# Allegro board Notecarrier-Pi PCB v2.brd
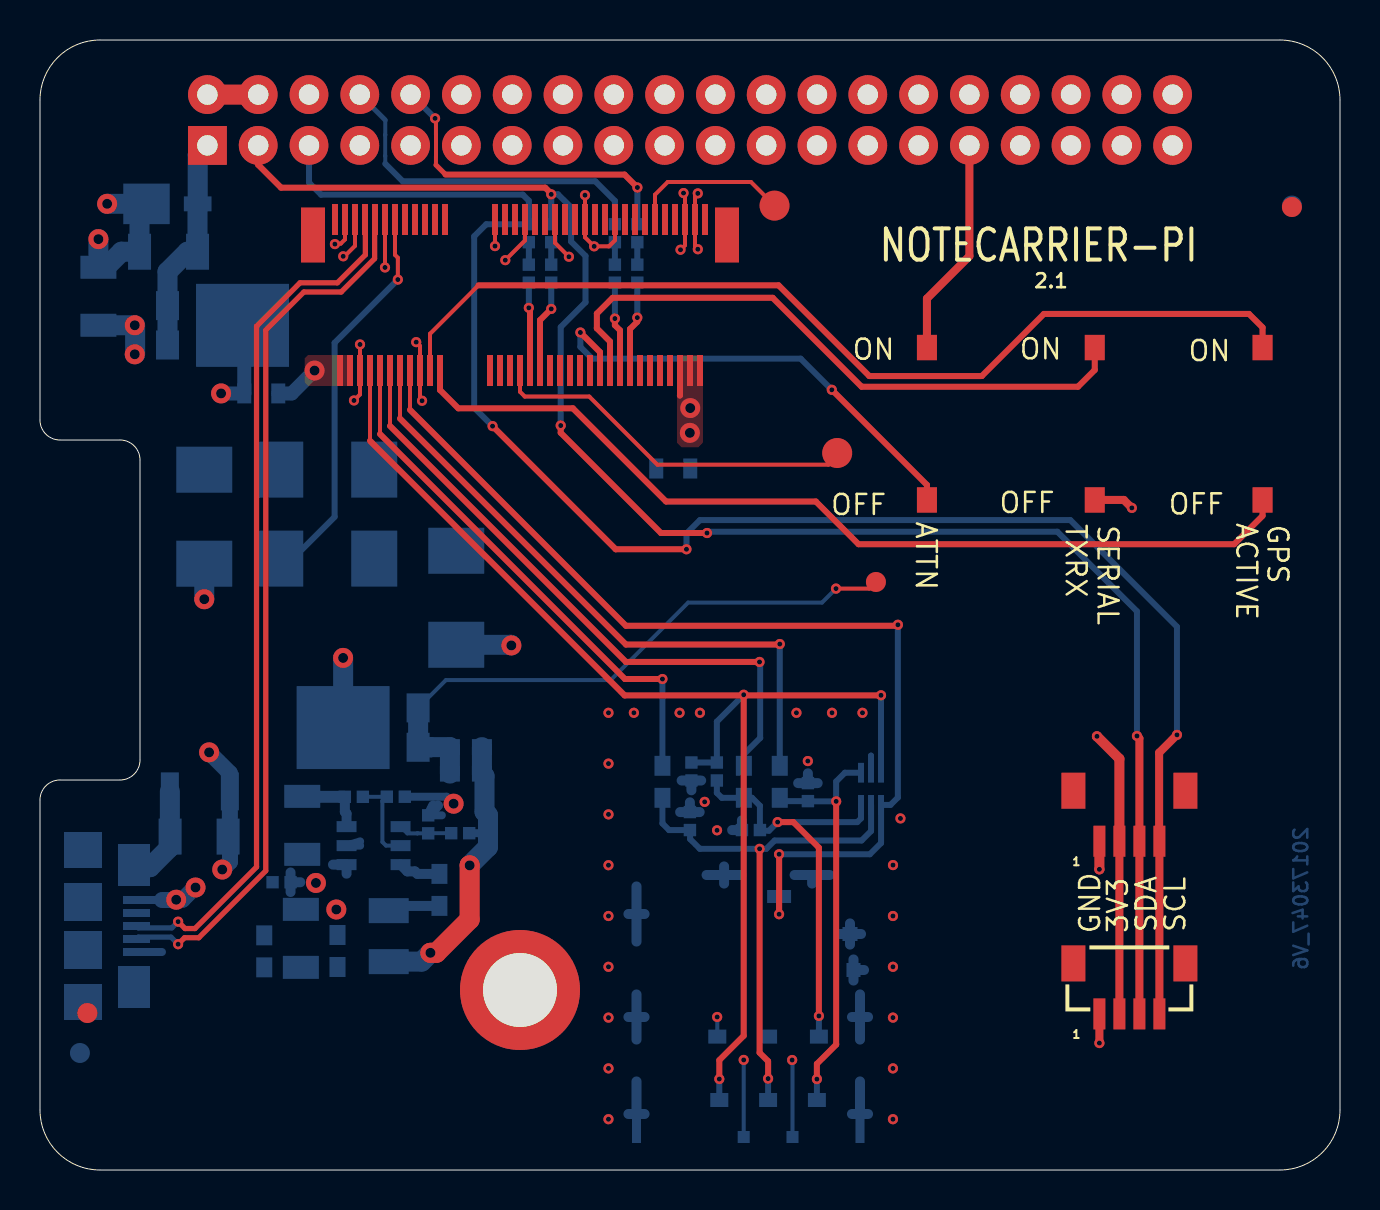
[diagram p0: board, top side]
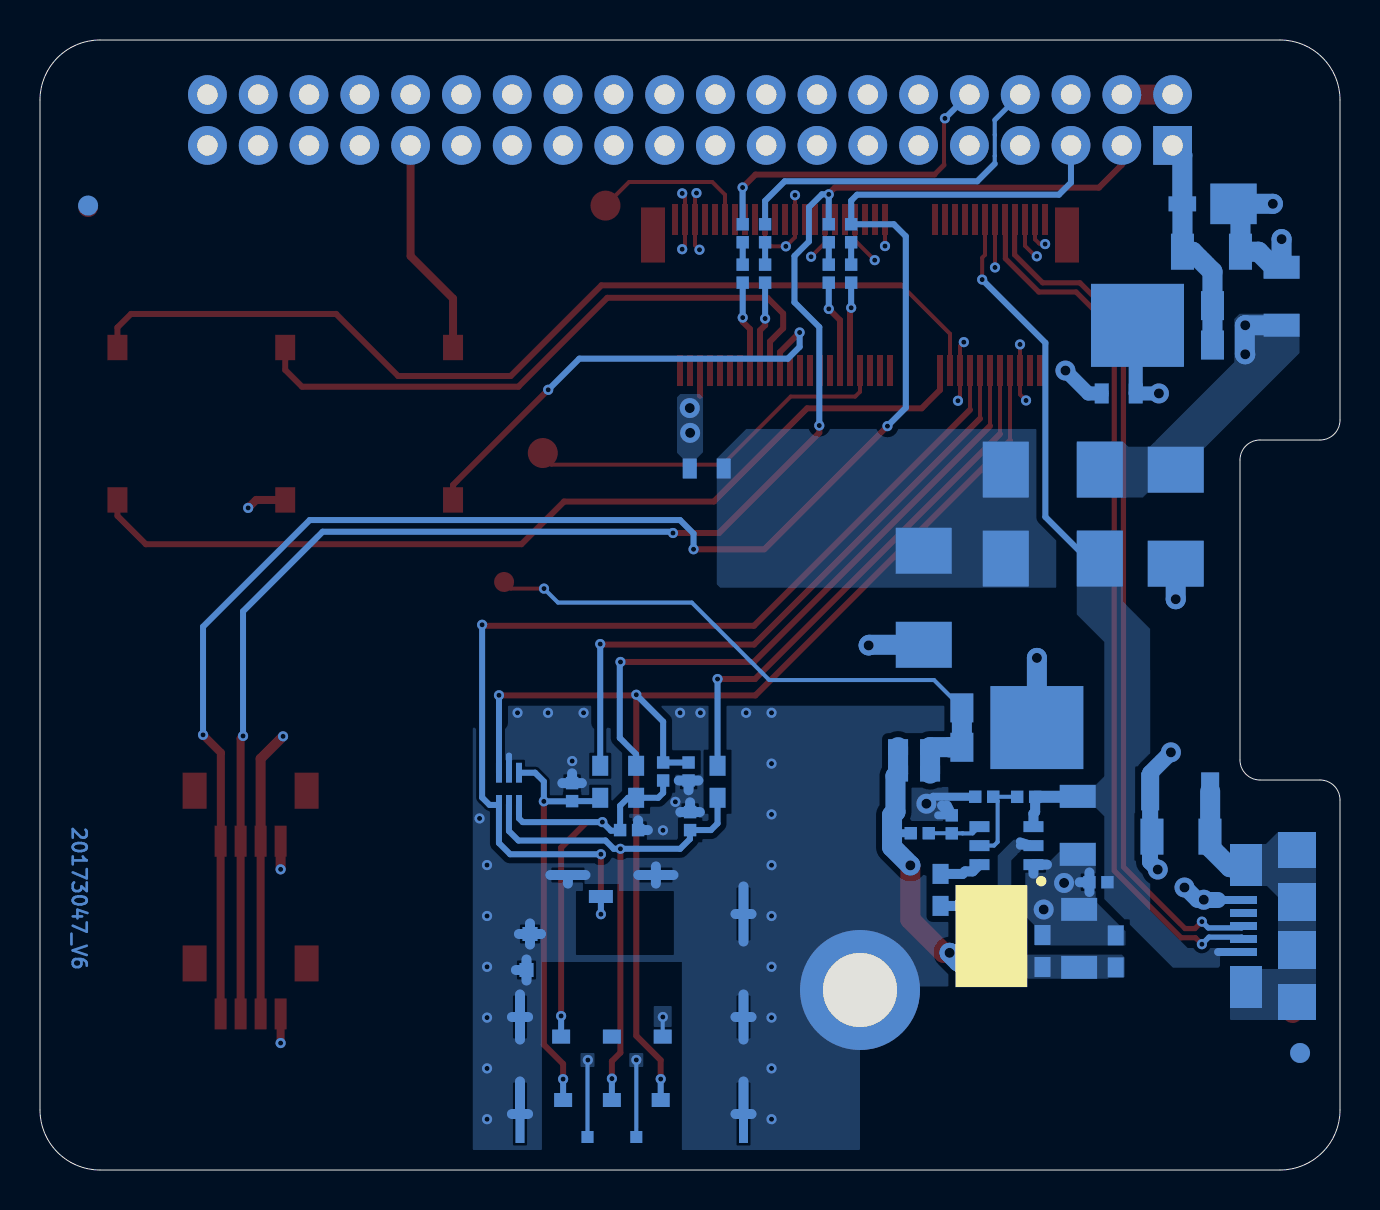
[diagram p1: board, bottom side, seen from below]

Outline 65 x 56.5 mm; copper layers: TOP, GND, POWER, BOTTOM. Coordinates in mm from the lower left corner of the outline.
Outline path: 0,53.5 arc(0.88,55.62) 3,56.5 62,56.5 arc(64.12,55.62) 65,53.5 65,3 arc(64.12,0.88) 62,0 3,0 arc(0.88,0.88) 0,3 0,18.5 arc(0.29,19.21) 1,19.5 4,19.5 arc(4.71,19.79) 5,20.5 5,35.5 arc(4.71,36.21) 4,36.5 1,36.5 arc(0.29,36.79) 0,37.5 0,53.5

## Design rules (mm)
constraint set DEFAULT: pair gap 0.2
net group USB_CON_EXT_90: nets USB_DM USB_DP
nets with their own width: min track width 0.3; nets GND V+ VIO VMODEM VMODEM_P VUSB

## Placement (name value [footprint] x y rotation side)
C1  22u/25V-X5R  [CS-C-1206]  6.38 45.91 180 bottom
C2  22u/25V-X5R  [CS-C-1206]  2.92 43.74 90 bottom
C3  100n/16V  [CS-C-0402]  32.57 19.92 270 bottom
C4  33p/50V-C0G  [CS-C-0402]  32.5 17.45 90 bottom
C5  33p/50V-C0G  [CS-C-0402]  38.4 18.89 90 bottom
C6  33p/50V-C0G  [CS-C-0402]  35.55 17 180 bottom
C7  100n/16V  [CS-C-0402]  12.08 14.39 0 bottom
C8  10n/1kV  [CS-C-1206]  8 16.67 0 bottom
C13  100n/50V  [CS-C-0603]  19.97 14 90 bottom
C14  22u/25V-X5R  [CS-C-1206]  13.04 11.63 90 bottom
C15  100n/50V  [CS-C-0603]  11.21 10.93 90 bottom
C16  10u/50V/X5R  [CS-C-1206]  13.11 17.18 270 bottom
C17  47u/6V3/X5R  [CS-C-0603]  14.88 10.95 90 bottom
DS1  STPS3H100U  [SMB]  16.71 30.57 180 bottom
DS2  STPS3H100U  [SMB]  16.71 35.02 180 bottom
DS3  FSV1045V  [TO277-3]  9.13 42.23 90 bottom
DS4  FSV1045V  [TO277-3]  16.16 22.12 270 bottom
DSW1  DIP-SW-CHS-01TB  [DSS-CHS-01TB]  61.13 37.31 180 top
DSW2  DIP-SW-CHS-01TB  [DSS-CHS-01TB]  52.74 37.31 180 top
DSW3  DIP-SW-CHS-01TB  [DSS-CHS-01TB]  44.35 37.31 180 top
F1  SF-0603F150-2  [FS-0603]  11.06 38.83 0 bottom
F2  3.5A/32V  [FS-0603]  31.66 35.07 0 bottom
FID1  TPS  [FIDUCIAL]  2 5.85 180 bottom
FID2  TPS  [FIDUCIAL]  62.6 48.22 180 bottom
FID3  TPS  [FIDUCIAL]  62.6 48.15 0 top
FID4  TPS  [FIDUCIAL]  2.37 7.85 0 top
J1  20565  [J-20X2-0254-FDT-SSQX03]  32.5 52.5 0 bottom
J2  NanoSIM - SF72S006VBAR2500  [J-NANOSIM-SF72S006VBA]  36.95 13.68 180 bottom
J3  MDT420E01001  [J-75-0050-MOS-M2-E]  24 42.25 0 top
J4  10118192-0002LF  [J-5-0065-FOS-USB10118192-NOF]  4.7 12.2 90 bottom
J5  BM04B-SRSS-TBT(LF)(SN)  [J-4-0100-MDS-SH]  52.97 16.44 0 top
J6  BM04B-SRSS-TBT(LF)(SN)  [J-4-0100-MDS-SH]  52.97 7.8 0 top
L4  LQH32PN4R7NN0L  [LS-LQH32PN]  17.44 11.69 270 bottom
NOREF  -  []  60.14 3.53 0 top
NOREF#2  -  []  15.33 15.27 90 top
NOREF#3  -  []  6.7 13 0 top
NOREF#4  -  []  56.27 7.03 90 top
NOREF#5  -  []  21 20.74 90 top
NOREF#6  -  []  32.69 1.35 90 top
NOREF#7  -  []  32.69 6.7 90 top
NOREF#8  -  []  55.97 16.44 0 top
NOREF#9  -  []  5.93 15.77 0 top
NOREF#10  -  []  8.05 39.91 90 top
NOREF#11  -  []  0 3 0 top
NOREF#12  -  []  36.36 14 0 top
NOREF#13  -  []  5.65 40.67 90 top
NOREF#14  -  []  15.16 21.12 90 top
NOREF#15  -  []  56.27 15.66 90 top
NOREF#16  -  []  31.6 48.3 0 top
NOREF#17  -  []  18.18 22.53 0 top
NOREF#18  -  []  25.56 46.39 90 top
NOREF#19  -  []  24 9 0 top
NOREF#20  -  []  44.31 1.35 90 top
NOREF#21  -  []  34.61 15 0 top
NOREF#22  -  []  17.44 10.42 90 top
NOREF#23  -  []  34.95 45.38 90 top
NOREF#24  -  []  56.27 17.21 90 top
NOREF#25  -  []  60.63 40.49 90 top
NOREF#26  -  []  62 0 90 top
NOREF#27  -  []  8.37 51.23 0 top
NOREF#28  -  []  57.87 9.43 90 top
NOREF#29  -  []  0 8.7 0 top
NOREF#30  -  []  35.69 18.21 90 top
NOREF#31  -  []  32.88 10.35 0 top
NOREF#32  -  []  24.13 44.68 0 top
NOREF#33  -  []  44 18.98 0 top
NOREF#34  -  []  6.04 17.98 90 top
NOREF#35  -  []  7.06 36.42 0 top
NOREF#36  -  []  52.67 7.03 0 top
NOREF#37  -  []  4.73 36.18 0 top
NOREF#38  -  []  14 41.7 90 top
NOREF#39  -  []  54.97 7.8 0 top
NOREF#40  -  []  16.45 18.35 90 top
NOREF#41  -  []  29.83 12.8 0 top
NOREF#42  -  []  40.9 17.76 90 top
NOREF#43  -  []  19.72 16.52 90 top
NOREF#44  -  []  0.41 1.48 0 top
NOREF#45  -  []  34.15 20.06 90 top
NOREF#46  -  []  30.18 46.08 90 top
NOREF#47  -  []  13.04 10.13 90 top
NOREF#48  -  []  29.56 46.7 0 top
NOREF#49  -  []  14 42.25 90 top
NOREF#50  -  []  62 0 90 top
NOREF#51  -  []  14.88 10.15 90 top
NOREF#52  -  []  4.16 47.29 90 top
NOREF#53  -  []  30.46 34.57 0 top
NOREF#54  -  []  32.86 34.57 90 top
NOREF#55  -  []  51.27 11.23 0 top
NOREF#56  -  []  -50 0 0 top
NOREF#57  -  []  44.35 33.5 90 top
NOREF#58  -  []  40.5 6.32 90 top
NOREF#59  -  []  36.99 18.61 90 top
NOREF#60  -  []  40.41 14.5 90 top
NOREF#61  -  []  43.85 40.49 90 top
NOREF#62  -  []  5.55 45.01 90 top
NOREF#63  -  []  60.63 34.14 0 top
NOREF#64  -  []  40.9 19.37 0 top
NOREF#65  -  []  28.44 46.7 0 top
NOREF#66  -  []  28.75 46.39 90 top
NOREF#67  -  []  19.5 39.98 0 top
NOREF#68  -  []  29.83 12.8 0 top
NOREF#69  -  []  33.86 6.67 0 top
NOREF#70  -  []  7.3 45.01 0 top
NOREF#71  -  []  15 39.98 90 top
NOREF#72  -  []  28.44 44.68 0 top
NOREF#73  -  []  15.56 31.97 0 top
NOREF#74  -  []  25.25 44.68 0 top
NOREF#75  -  []  22.15 9 0 top
NOREF#76  -  []  -60.01 50.91 0 top
NOREF#77  -  []  43.85 34.14 0 top
NOREF#78  -  []  62 0 90 top
NOREF#79  -  []  44.31 1.35 90 top
NOREF#80  -  []  16.85 39.2 0 top
NOREF#81  -  []  31.62 18.21 90 top
NOREF#82  -  []  14.38 12.15 0 top
NOREF#83  -  []  19.66 32.36 0 top
NOREF#84  -  []  20.5 19.82 0 top
NOREF#85  -  []  24.13 46.7 0 top
NOREF#86  -  []  19.1 17.14 0 top
NOREF#87  -  []  8.57 47.93 90 top
NOREF#88  -  []  6.49 18.93 0 top
NOREF#89  -  []  11.63 14.39 0 top
NOREF#90  -  []  0 18.5 0 top
NOREF#91  -  []  12.54 17.78 0 top
NOREF#92  -  []  15 39.98 0 top
NOREF#93  -  []  20.81 26.26 90 top
NOREF#94  -  []  19.47 12.8 90 top
NOREF#95  -  []  51.27 16.56 90 top
NOREF#96  -  []  12.84 14.08 90 top
NOREF#97  -  []  24.44 46.39 90 top
NOREF#98  -  []  8.37 51.23 90 top
NOREF#99  -  []  28.75 44.37 90 top
NOREF#100  -  []  13.62 12.13 90 top
NOREF#101  -  []  30.62 19.01 0 top
NOREF#102  -  []  37.49 18.21 90 top
NOREF#103  -  []  29.87 46.39 90 top
NOREF#104  -  []  14.6 46.75 90 top
NOREF#105  -  []  19.97 13.2 90 top
NOREF#106  -  []  25.87 46.08 90 top
NOREF#107  -  []  16.81 11.42 0 top
NOREF#108  -  []  44.31 1.35 90 top
NOREF#109  -  []  36.36 13.35 90 top
NOREF#110  -  []  9.04 19.88 0 top
NOREF#111  -  []  3.5 44.24 90 top
NOREF#112  -  []  20 21.54 0 top
NOREF#113  -  []  39.02 1.35 90 top
NOREF#114  -  []  33.84 19.47 90 top
NOREF#115  -  []  5.65 40.67 0 top
NOREF#116  -  []  14 42.25 90 top
NOREF#117  -  []  0 3 0 top
NOREF#118  -  []  17.75 14.77 90 top
NOREF#119  -  []  41.05 18.25 0 top
NOREF#120  -  []  52.24 34.14 0 top
NOREF#121  -  []  19.47 15.2 0 top
NOREF#122  -  []  32.69 1.35 0 top
NOREF#123  -  []  24.44 44.37 90 top
NOREF#124  -  []  44.31 1.35 90 top
NOREF#125  -  []  17.34 18.66 0 top
NOREF#126  -  []  39 15 0 top
NOREF#127  -  []  10.71 9.73 90 top
NOREF#128  -  []  24.75 44.06 90 top
NOREF#129  -  []  29.06 46.08 90 top
NOREF#130  -  []  10.71 12.13 0 top
NOREF#131  -  []  61.5 52.5 0 top
NOREF#132  -  []  17.03 18.97 0 top
NOREF#133  -  []  24 9 0 top
NOREF#134  -  []  19.41 16.83 90 top
NOREF#135  -  []  29.25 47.52 0 top
NOREF#136  -  []  0 53.5 0 top
NOREF#137  -  []  0 18.5 0 top
NOREF#138  -  []  52.67 15.66 0 top
NOREF#139  -  []  35.19 18.61 90 top
NOREF#140  -  []  4.16 47.29 0 top
NOREF#141  -  []  16.81 11.97 90 top
NOREF#142  -  []  10.56 39.33 0 top
NOREF#143  -  []  32.69 1.35 90 top
NOREF#144  -  []  32.88 19.16 90 top
NOREF#145  -  []  0 53.5 0 top
NOREF#146  -  []  0 8.7 90 top
NOREF#147  -  []  15.56 36.42 0 top
NOREF#148  -  []  38.09 19.65 0 top
NOREF#149  -  []  7.19 48.68 0 top
NOREF#150  -  []  39.11 35.86 0 top
NOREF#151  -  []  36.41 3.5 0 top
NOREF#152  -  []  8.05 44.56 0 top
NOREF#153  -  []  15.83 18.97 0 top
NOREF#154  -  []  6.38 41.25 90 top
NOREF#155  -  []  45 3 90 top
NOREF#156  -  []  29.83 2.8 0 top
NOREF#157  -  []  44.31 11.6 90 top
NOREF#158  -  []  44.31 1.35 90 top
NOREF#159  -  []  57.87 18.06 90 top
NOREF#160  -  []  32.5 17 90 top
NOREF#161  -  []  4.45 8.7 0 top
NOREF#162  -  []  61.13 33.5 90 top
NOREF#163  -  []  3 0 90 top
NOREF#164  -  []  10.13 41.23 90 top
NOREF#165  -  []  13.08 24.45 0 top
NOREF#166  -  []  33.03 12.15 0 top
NOREF#167  -  []  -105.3 -116.94 0 top
NOREF#168  -  []  -50 0 0 top
NOREF#169  -  []  2.14 52.53 0 top
NOREF#170  -  []  36.41 3.5 0 top
NOREF#171  -  []  20.56 16.84 0 top
NOREF#172  -  []  24.34 14.24 90 top
NOREF#173  -  []  9.86 38.33 0 top
NOREF#174  -  []  56.67 18.06 0 top
NOREF#175  -  []  41.29 29.4 0 top
NOREF#176  -  []  32.19 18.21 0 top
NOREF#177  -  []  2.35 41.34 0 top
NOREF#178  -  []  29.83 12.8 0 top
NOREF#179  -  []  62 0 90 top
NOREF#180  -  []  13.69 14.88 90 top
NOREF#181  -  []  24.75 46.08 90 top
NOREF#182  -  []  56.67 9.43 0 top
NOREF#183  -  []  4.83 10.9 90 top
NOREF#184  -  []  29.06 44.06 90 top
NOREF#185  -  []  21.15 17.15 0 top
NOREF#186  -  []  32.26 19.78 0 top
NOREF#187  -  []  12.01 30.57 0 top
NOREF#188  -  []  55.97 7.8 0 top
NOREF#189  -  []  21.77 16.53 90 top
NOREF#190  -  []  2.55 8.7 0 top
NOREF#191  -  []  44.31 6.7 90 top
NOREF#192  -  []  52.24 40.49 90 top
NOREF#193  -  []  0 18.5 90 top
NOREF#194  -  []  38.71 19.03 90 top
NOREF#195  -  []  8.21 30.32 90 top
NOREF#196  -  []  3.2 11.65 90 top
NOREF#197  -  []  20 20.22 0 top
NOREF#198  -  []  35.1 17 0 top
NOREF#199  -  []  15.56 33.62 90 top
NOREF#200  -  []  2.14 3.53 0 top
NOREF#201  -  []  12.47 9.23 0 top
NOREF#202  -  []  13.11 15.78 90 top
NOREF#203  -  []  44.31 1.35 90 top
NOREF#204  -  []  15.56 29.17 90 top
NOREF#205  -  []  45 3 90 top
NOREF#206  -  []  34 41.45 90 top
NOREF#207  -  []  29.56 44.68 0 top
NOREF#208  -  []  14.75 47.52 0 top
NOREF#209  -  []  44 18.96 0 top
NOREF#210  -  []  15.33 17.17 0 top
NOREF#211  -  []  0.98 55.72 0 top
NOREF#212  -  []  29.83 12.8 0 top
NOREF#213  -  []  13.08 19.8 90 top
NOREF#214  -  []  2.15 16 90 top
NOREF#215  -  []  38.42 1.35 0 top
NOREF#216  -  []  33.53 20.68 0 top
NOREF#217  -  []  14.75 47.52 0 top
NOREF#218  -  []  0.22 36.88 0 top
NOREF#219  -  []  9.4 8.2 90 top
NOREF#220  -  []  -51.54 0 0 top
NOREF#221  -  []  15.16 21.12 90 top
NOREF#222  -  []  1 19.5 90 top
NOREF#223  -  []  19.24 17.84 0 top
NOREF#224  -  []  18.18 22.53 90 top
NOREF#225  -  []  31.16 35.57 0 top
NOREF#226  -  []  56.27 8.58 90 top
NOREF#227  -  []  30.18 44.06 90 top
NOREF#228  -  []  34.61 3.15 0 top
NOREF#229  -  []  32.81 17.59 90 top
NOREF#230  -  []  12.26 38.33 90 top
NOREF#231  -  []  0 3 0 top
NOREF#232  -  []  61.5 52.5 90 top
NOREF#233  -  []  -55.64 42 0 top
NOREF#234  -  []  20.5 21.14 0 top
NOREF#235  -  []  4.98 45.91 0 top
NOREF#236  -  []  32.69 1.35 90 top
NOREF#237  -  []  32.69 1.35 90 top
NOREF#238  -  []  51.27 7.93 90 top
NOREF#239  -  []  52.74 33.5 90 top
NOREF#240  -  []  33.75 48.12 0 top
NOREF#241  -  []  6.5 16.67 0 top
NOREF#242  -  []  17.75 16.72 0 top
NOREF#243  -  []  56.12 51.24 0 top
NOREF#244  -  []  18.91 21.14 90 top
NOREF#245  -  []  15.24 18.66 0 top
NOREF#246  -  []  42.2 17.76 90 top
NOREF#247  -  []  24 39.98 0 top
NOREF#248  -  []  32.69 1.35 90 top
NOREF#249  -  []  32.57 19.47 90 top
NOREF#250  -  []  35.41 16.69 90 top
NOREF#251  -  []  25.87 44.06 90 top
NOREF#252  -  []  35.19 1.65 0 top
NOREF#253  -  []  54.97 16.44 0 top
NOREF#254  -  []  61.5 3.5 0 top
NOREF#255  -  []  4.76 36.15 0 top
NOREF#256  -  []  10.13 41.23 90 top
NOREF#257  -  []  12.22 14.7 0 top
NOREF#258  -  []  38.4 18.44 90 top
NOREF#259  -  []  3.5 52.5 90 top
NOREF#260  -  []  33.03 11.45 90 top
NOREF#261  -  []  14.85 39.2 90 top
NOREF#262  -  []  14 42.25 0 top
NOREF#263  -  []  6.48 47.29 0 top
NOREF#264  -  []  29.87 44.37 90 top
NOREF#265  -  []  49.01 53.77 0 top
NOREF#266  -  []  25.25 46.7 0 top
NOREF#267  -  []  7.06 33.62 90 top
NOREF#268  -  []  25.56 44.37 90 top
NOREF#269  -  []  12.01 35.02 0 top
NOREF#270  -  []  24 9 90 top
NOREF#271  -  []  35.97 48.23 0 top
NOREF#272  -  []  2.92 42.24 90 top
NOREF#273  -  []  0.6 11.4 90 top
NOREF#274  -  []  15 39.98 0 top
NOREF#275  -  []  62.54 51.64 0 top
NOREF#276  -  []  36.49 19.01 0 top
NOREF#277  -  []  21 9 0 top
NOREF#278  -  []  0.32 36.77 0 top
NOREF#279  -  []  62 0 90 top
NOREF#280  -  []  5.8 13 0 top
NOREF#281  -  []  43.86 1.35 0 top
NOREF#282  -  []  9.98 15.77 90 top
NOREF#283  -  []  8.37 51.23 90 top
NOREF#284  -  []  0 8.7 0 top
NOREF#285  -  []  34.79 17.31 0 top
NOREF#286  -  []  34.69 19.01 0 top
NOREF#287  -  []  11.21 10.13 90 top
NOREF#288  -  []  33.97 3.5 0 top
NOREF#289  -  []  14.38 9.75 90 top
NOREF#290  -  []  60.14 52.53 0 top
NOREF#291  -  []  51.27 19.86 0 top
NOREF#292  -  []  19.66 29.56 90 top
NOREF#293  -  []  31.12 18.61 90 top
NOREF#294  -  []  21 19.42 90 top
NOREF#295  -  []  29.83 12.8 0 top
NOREF#296  -  []  13.65 46.75 0 top
NOREF#297  -  []  17.65 18.35 90 top
NOREF#298  -  [unnamed#2]  61.5 52.5 180 bottom
NOREF#299  -  [unnamed#2]  61.5 3.5 180 bottom
NOREF#300  -  [unnamed#2]  3.5 52.5 180 bottom
NOREF#301  -  [unnamed#2]  3.5 3.5 180 bottom
OBJ1  9774025151R  [DIST-WASMSIM0250]  24 9 270 top
R1  22R  [RS-0603]  35.19 19.41 270 bottom
R2  22R  [RS-0603]  31.12 19.41 270 bottom
R3  22R  [RS-0603]  36.99 19.41 270 bottom
R4  15k  [RS-0402]  33.84 19.92 90 bottom
R5  1M  [RS-1206]  7.99 18.93 0 bottom
R6  100R  [RS-0402]  24.44 46.84 270 bottom
R7  100R  [RS-0402]  24.44 44.82 270 bottom
R8  100R  [RS-0402]  25.56 46.84 270 bottom
R9  100R  [RS-0402]  25.56 44.82 270 bottom
R10  100R  [RS-0402]  28.75 46.84 270 bottom
R11  100R  [RS-0402]  28.75 44.82 270 bottom
R12  100R  [RS-0402]  29.87 46.84 270 bottom
R13  100R  [RS-0402]  29.87 44.82 270 bottom
R19  0R  [RS-0603]  21.3 21.14 180 bottom
R20  0R  [RS-0603]  21.3 19.82 180 bottom
R22  75k  [RS-0402]  21.01 16.84 0 bottom
R23  0R  [RS-0402]  15.69 18.66 0 bottom
R25  10k  [RS-0402]  17.79 18.66 180 bottom
R26  24k  [RS-0402]  19.41 17.28 270 bottom
TP5  TPS  [TPS-0100]  41.8 29.4 180 top
TP6  TPS  [TPS-0150]  39.86 35.85 0 top
TP7  TPS  [TPS-0150]  36.73 48.22 0 top
TVS1  SM6T6V8A  [SMB]  20.81 30.96 270 bottom
TVS2  SM2T3V3A  [D-DO216AA]  5.32 48.31 0 bottom
TVS3  SM6T6V8A  [SMB]  8.21 35.02 270 bottom
TVS4  ESDLC5V0M5-TP  [SOT666]  41.55 19.06 0 bottom
U3  AP62250WU-7  [SOT23-6-DBV]  16.68 16.22 90 bottom

## Library data of the parts
C1 C2 C14 = CS-C-1206-22u/25V-X5R
C3 = CS-C-0402-100n/16V: room: NANO-SIM
C4-C6 = CS-C-0402-33p/50V-C0G: room: NANO-SIM
C7 = CS-C-0402-100n/16V: room: USB
C8 = CS-C-1206-10n/1kV: room: USB
C13 C15 = CS-C-0603-100n/50V
C16 = CS-C-1206-10u/50V-X5R
C17 = CS-C-0603-47u/6V3-X5R
DS1 = SCHOTTKY-STPS3H100U - 3A/100V: room: USB POWER PROTECTION
DS2 = SCHOTTKY-STPS3H100U - 3A/100V: room: POWER PROTECTION
DS3 DS4 = SCHOTTKY - FSV1045V - 10A/45V: room: INPUT
DSW1-DSW3 = DIP-SW-1x-CHS-01TB-SMD
F1 = RAPIDO - SF-0603F150-2-1.5A/32V: room: M2 CONNECTOR
F2 = RAPIDO - 0603SFV350F- 3.5A/32V: room: M2 CONNECTOR
FID1-FID4 = FIDUCIAL
J1 = STRIP-J-20X2-0254-FDT - 2223
J2 = NANOSIM - J-NANOSIM-SF72S006VBA: room: NANO-SIM
J3 = AMPHENOL-75 - M-2 KEY E_10: room: M2 CONNECTOR
J4 = USB - uUSB-B-10118192-0002LF
J5 J6 = SH - J-4-0100-MDS-SH-BM04B
L4 = PW - LQH32PN4R7NN0L - 4.7u/1A
OBJ1 = DISTANZIALE - M2.5x0250
R1-R3 = RS-0603-22r: room: NANO-SIM
R4 = RS-0402-15k: room: NANO-SIM
R5 = RS-1206-1M: room: USB
R6-R13 = RS-0402-100r: room: PROTECTION NET
R19 R20 = RS-0603-0r
R22 = RS-0402-75k
R23 = RS-0402-0r
R25 = RS-0402-10k
R26 = RS-0402-24k
TP5 = TEST POINT SMD 1 MM
TP6 TP7 = TEST POINT SMD 1.5 MM
TVS1 = TVS-UNI - SM6T6V8A - 6.8V/600W: room: POWER PROTECTION
TVS2 = TVS-UNI - SM2T3V3A - 3.6V/200W
TVS3 = TVS-UNI - SM6T6V8A - 6.8V/600W
TVS4 = TVS-UNI5x - ESDLC5V0M5-TP - 5V: room: NANO-SIM
U3 = BUCK - AP62250WU-7 - 2.5A/ADJ

## Footprints (pads in the part's own frame, mm; a bottom-side part is the same pattern mirrored in y, then rotated)
CS-C-0402
  rect 0.62x0.62 smd: 1(-0.45,0) 2(0.45,0)
CS-C-0603
  rect 1x0.8 smd: 1(-0.8,0) 2(0.8,0)
CS-C-1206
  rect 1.15x1.8 smd: 1(-1.5,0) 2(1.4,0)
D-DO216AA
  rect 1.38x0.75 smd: 1(2.56,0)
  rect 2.32x2.03 smd: 2(0,0)
DIST-WASMSIM0250
  round 6 hole 3.7: 1(0,0)
DSS-CHS-01TB
  rect 1x1.27 smd: 1(0,3.81) 2(0,-3.81)
FIDUCIAL
  round 1 smd: 1(0,0)
FS-0603
  rect 0.7x1 smd: 1(-0.85,0) 2(0.85,0)
J-4-0100-MDS-SH
  rect 1.2x1.8 smd: (-1.3,2.525) (4.3,2.525)
  rect 0.6x1.55 smd: 1(0,0) 2(1,0) 3(2,0) 4(3,0)
J-5-0065-FOS-USB10118192-NOF
  rect 0.4x1.35 smd: 1(-1.3,0.125) 2(-0.65,0.125) 3(0,0.125) 4(0.65,0.125) 5(1.3,0.125)
  rect 2.1x1.6 smd: 6(-3.05,0) 7(3.05,0)
  rect 1.9x1.9 smd: 8(-1.2,-2.55) 9(1.2,-2.55)
  rect 1.8x1.9 smd: 10(-3.8,-2.55) 11(3.8,-2.55)
J-20X2-0254-FDT-SSQX03
  rect 1.94x1.94 hole 1.02: 1(-24.13,1.27)
  round 1.94 hole 1.02: 2(-24.13,-1.27) 3(-21.59,1.27) 4(-21.59,-1.27) 5(-19.05,1.27) 6(-19.05,-1.27) 7(-16.51,1.27) 8(-16.51,-1.27) 9(-13.97,1.27) 10(-13.97,-1.27) 11(-11.43,1.27) 12(-11.43,-1.27) 13(-8.89,1.27) 14(-8.89,-1.27) 15(-6.35,1.27) 16(-6.35,-1.27) 17(-3.81,1.27) 18(-3.81,-1.27) 19(-1.27,1.27) 20(-1.27,-1.27) 21(1.27,1.27) 22(1.27,-1.27) 23(3.81,1.27) 24(3.81,-1.27) 25(6.35,1.27) 26(6.35,-1.27) 27(8.89,1.27) 28(8.89,-1.27) 29(11.43,1.27) 30(11.43,-1.27) 31(13.97,1.27) 32(13.97,-1.27) 33(16.51,1.27) 34(16.51,-1.27) 35(19.05,1.27) 36(19.05,-1.27) 37(21.59,1.27) 38(21.59,-1.27) 39(24.13,1.27) 40(24.13,-1.27)
J-75-0050-MOS-M2-E
  rect 1.2x2.75 smd: (-10.35,4.5) (10.35,4.5)
  round 0 hole 1.1 unplated: (-10,0)
  round 0 hole 1.6 unplated: (10,0)
  rect 0.3x1.55 smd: 1(-9.25,5.275) 2(-9,-2.275) 3(-8.75,5.275) 4(-8.5,-2.275) 5(-8.25,5.275) 6(-8,-2.275) 7(-7.75,5.275) 8(-7.5,-2.275) 9(-7.25,5.275) 10(-7,-2.275) 11(-6.75,5.275) 12(-6.5,-2.275) 13(-6.25,5.275) 14(-6,-2.275) 15(-5.75,5.275) 16(-5.5,-2.275) 17(-5.25,5.275) 18(-5,-2.275) 19(-4.75,5.275) 20(-4.5,-2.275) 21(-4.25,5.275) 22(-4,-2.275) 23(-3.75,5.275) 32(-1.5,-2.275) 33(-1.25,5.275) 34(-1,-2.275) 35(-0.75,5.275) 36(-0.5,-2.275) 37(-0.25,5.275) 38(0,-2.275) 39(0.25,5.275) 40(0.5,-2.275) 41(0.75,5.275) 42(1,-2.275) 43(1.25,5.275) 44(1.5,-2.275) 45(1.75,5.275) 46(2,-2.275) 47(2.25,5.275) 48(2.5,-2.275) 49(2.75,5.275) 50(3,-2.275) 51(3.25,5.275) 52(3.5,-2.275) 53(3.75,5.275) 54(4,-2.275) 55(4.25,5.275) 56(4.5,-2.275) 57(4.75,5.275) 58(5,-2.275) 59(5.25,5.275) 60(5.5,-2.275) 61(5.75,5.275) 62(6,-2.275) 63(6.25,5.275) 64(6.5,-2.275) 65(6.75,5.275) 66(7,-2.275) 67(7.25,5.275) 68(7.5,-2.275) 69(7.75,5.275) 70(8,-2.275) 71(8.25,5.275) 72(8.5,-2.275) 73(8.75,5.275) 74(9,-2.275) 75(9.25,5.275)
J-NANOSIM-SF72S006VBA
  rect 0.9x0.7 smd: 1(2.99,-10.175) 2(0.55,-10.175) 3(-1.89,-10.175) 5(3.09,-7.005) 6(0.55,-7.005) 7(-1.99,-7.005)
  rect 0.45x2.9 smd: 8(-4.045,-10.875) 17(7.13,-10.875)
  rect 0.45x1.9 smd: 9(-4.045,-6.025) 16(7.13,-6.025)
  rect 0.7x0.7 smd: 10(-3.72,-3.675)
  rect 0.75x0.7 smd: 11(-3.545,-1.875)
  rect 1.4x0.5 smd: 12(-1.65,1.075) 14(2.75,1.075)
  rect 1.2x0.65 smd: 13(0,0)
  rect 0.45x2.4 smd: 15(7.13,-0.875)
  rect 0.6x0.6 smd: 18(1.77,-12.025) 19(-0.67,-12.025)
LS-LQH32PN
  rect 1.25x2 smd: 1(-1.275,0) 2(1.275,0)
RS-0402
  rect 0.62x0.62 smd: 1(-0.45,0) 2(0.45,0)
RS-0603
  rect 1x0.8 smd: 1(-0.8,0) 2(0.8,0)
RS-1206
  rect 0.9x1.9 smd: 1(-1.5,0) 2(1.5,0)
SMB
  rect 2.3x2.8 smd: 1(0,0) 2(4.7,0)
SOT23-6-DBV
  rect 0.55x1 smd: 1(-0.95,-1.35) 2(0,-1.35) 3(0.95,-1.35) 4(0.95,1.35) 5(0,1.35) 6(-0.95,1.35)
SOT666
  rect 0.3x0.99 smd: 1(-0.5,-0.805) 2(0,-0.805) 3(0.5,-0.805) 4(0.5,0.805) 5(0,0.805) 6(-0.5,0.805)
TO277-3
  rect 1.45x1.15 smd: 1(0.985,-2.75) 2(-0.985,-2.75)
  rect 4.15x4.65 smd: 3(0,1)
TPS-0100
  round 1 smd: 1(0,0)
TPS-0150
  round 1.5 smd: 1(0,0)
unnamed#2
  round 0 hole 2.7 unplated: (0,0)

## Nets
3V3: DS4.1 DS4.2 R19.2 R20.2 TP5.1(TP)
GND: C1.2 C2.2 C3.2 C4.2 C5.2 C6.2 C7.2 C8.2 C14.2 C15.2 C16.2 C17.2 J1.6 J1.9 J1.14 J1.20 J1.25 J1.30 J1.34 J1.39 J2.5 J2.8 J2.9 J2.10 J2.11 J2.12 J2.14 J2.15 J2.16 J2.17 J2.18 J2.19 J3.3 J3.5 J3.6 J3.11 J3.18 J3.33 J3.39 J3.45 J3.51 J3.57 J3.71 J3.73 J4.5 J5.1 J6.1 OBJ1.1 R5.2 R25.1 R26.1 TVS1.2 TVS2.2 TVS3.2 TVS4.2 U3.1
ATTN: DSW3.2 J1.31
AUX_EN: DSW2.2 J3.56
AUX_RX: J1.8 R10.1
AUX_RX_P: J3.58 R11.2
AUX_TX: J1.10 R12.1
AUX_TX_P: J3.60 R13.2
SCL: J1.5 J5.4 J6.4 R6.1
SDA: J1.3 J5.3 J6.3 R8.1
SIM_CLK: J3.14 R3.1
SIM_IO: J3.12 R1.1
SIM_NPRESENT: J2.13 J3.16 TVS4.4
SIM_RST: J3.10 R2.1
SIM_VCC: C3.1 J2.1 J3.8 R4.2 TVS4.3
USB_DM: J3.9 J4.2
USB_DP: J3.7 J4.3
USB_SHIELD: C8.1 J4.6 J4.7 J4.8 J4.9 J4.10 J4.11 R5.1
V+: C2.1 DS2.2 J1.2 J1.4 TVS3.1(C)
VACT_GPS_OUT: DSW1.2 J3.20
VIO: DS3.3(C) DS4.3(C) F1.1
VIO#: C1.1 DS3.1 DS3.2 J1.1 TVS2.1(C)
VIO_P: DSW2.1 F1.2 J3.2 J3.4 J5.2 J6.2
VMODEM: DS1.1(C) DS2.1(C) F2.1 TVS1.1(C)
VMODEM_P: F2.2 J3.70 J3.72 J3.74
VUSB: C7.1 C16.1 DS1.2 J3.13(VUSB) J4.1(VCC) R23.1 U3.3(VIN)
N16884949: J3.42 R9.2
N16884961: J3.40 R7.2
N16931657: R12.2 R13.1
N16931659: R10.2 R11.1
N16931665: R8.2 R9.1
N16931667: R6.2 R7.1
N17053809: C6.1 J2.7 R1.2 R4.1 TVS4.6(C6)
N17053813: C4.1 J2.2 R2.2 TVS4.5
N17053836: C5.1 J2.3 R3.2 TVS4.1
N17074702: DSW1.1 J3.22
N17100401: DSW3.1 J3.54
N17130280: C14.1 C15.1 C17.1 L4.2 R19.1 R20.1 R22.2
N17130301: C13.1 L4.1 U3.2
N17130339: C13.2 U3.6
N17130371: R22.1 R26.2 U3.4
N17130375: R23.2 R25.2 U3.5
N17136740: J3.65 TP7.1(TP)
N17136743: J3.38 TP6.1(TP)

Pads without a net: FID1 1; FID2 1; FID3 1; FID4 1; J1 7 11 12 13 15 16 17 18 19 21 22 23 24 26 27 28 29 32 33 35 36 37 38 40; J2 6; J3 1 15 17 19 21 23 32 34 35 36 37 41 43 44 46 47 48 49 50 52 53 55 59 61 62 63 64 66 67 68 69 75; J4 4

## Via types
v1: diameter 1, hole 0.5, TOP to BOTTOM, 20 vias
v2: diameter 0.508, hole 0.254, TOP to BOTTOM, 82 vias

## Routing (per net, layer and track width the routed paths; a pad name or vN(x,y) marks a point on that pad's centre or on a via; arc(x,y) is an arc through that point)
3V3: length 30.4
  TOP w0.2: TP5.1 41.46,29.07 v2(39.8,29.07)
  BOTTOM w0.2: DS4.2 20.29,24.5 28.53,24.5 32.41,28.37 39.1,28.37 v2(39.8,29.07)
  BOTTOM w1: R20.2 R19.2 19.53,21.14 19.53,21.14 DS4.1 DS4.2
GND: length 100.2
  TOP w0.2: v2(32.89,46.04) 32.75,46.18 J3.73 32.75,48.69 v2(32.89,48.83) ; v2(15.16,45.68) 15.23,45.68 15.75,46.21 J3.5 ; v2(32.18,48.85) 32.25,48.77 J3.71 32.25,46.24 v2(32.03,46.01) ; J3.33 v2(22.75,46.2) ; v2(27.25,48.74) J3.51 27.25,46.64 27.7,46.18 v2(27.71,46.18) 28.44,46.18 28.75,46.49 J3.57 ; v2(18.81,41.39) 19,41.2 J3.18 19,38.56 v2(19.1,38.46) ; J3.3 15.25,46.53 15.04,46.32 14.76,46.32 14.74,46.33 v2(14.74,46.3) ; v2(15.7,38.48) 16,38.78 J3.6 v2(16,41.28) ; J3.39 24.25,46.48 v2(23.26,45.49) ; J3.45 25.75,46.36 v2(26.45,45.66) ; J3.11 v2(17.25,45.13)
  TOP w0.4: J6.1 v2(52.97,6.35)
  TOP w0.5: v2(52.97,15.03) J5.1
  BOTTOM w0.2: v2(37.61,5.5) 37.62,5.48 J2.19 ; J2.5 33.86,7.64 v2(33.86,7.65) ; v2(35.19,5.5) J2.18
  BOTTOM w0.3: OBJ1.1 24,9.02 24.5,9.52 ; 41.55,20.72 41.55,20.72 TVS4.2
  BOTTOM w0.4: R26.1 20.09,17.73 ; 6.1,13.5 J4.5 ; v1(20.68,18.32) 20.33,18.66 R25.1
  BOTTOM w0.5: J2.15 30.23,12.8 ; J2.15 29.83,11.42 ; J2.15 29.42,12.8 ; J2.15 29.83,14.18 ; 37.73,14.75 J2.12 ; J2.12 38.61,14.32 ; J2.12 39.48,14.75 ; J2.14 34.2,15.18 ; J2.14 35.08,14.75 ; J2.14 33.33,14.75 ; J2.14 34.2,14.32 ; 15.33,14.82 15.33,15.27 14.65,15.27 ; J2.16 30.23,7.65 ; J2.16 29.83,6.52 ; J2.16 29.42,7.65 ; J2.16 29.83,8.78 ; 40.5,11.27 J2.11 ; J2.11 41.05,11.8 ; J2.11 39.95,11.8 ; J2.11 40.5,12.33 ; 29.42,2.8 J2.17 ; J2.17 30.23,2.8 ; J2.17 29.83,4.43 ; J2.8 41,4.43 ; J2.8 41.4,2.8 ; J2.8 40.6,2.8 ; 40.6,7.65 J2.9 ; J2.9 41,6.52 ; J2.9 41,8.78 ; J2.9 41.4,7.65 ; 32.57,18.99 C3.2 ; C3.2 32.08,19.47 ; C3.2 33.06,19.47 ; 32.01,17.9 C4.2 ; C4.2 32.5,18.38 ; C4.2 32.98,17.9 ; 37.91,19.34 C5.2 ; C5.2 38.88,19.34 ; C5.2 38.4,19.83 ; 34.61,17 C6.2 35.1,17.48 ; 12.53,13.9 C7.2 ; C7.2 12.53,14.88 ; C7.2 13.02,14.39 ; 19.9,18.22 R26.1 19.66,18.22 ; 40.67,10 41.2,10 ; 40.67,10 40.67,10.53 ; 40.67,10 40.67,9.47
  BOTTOM w0.8: 6.89,13.51 7.13,13.51 7.68,14.07 7.72,14.07 v1(7.78,14.12) ; 6.89,13.51 v1(6.81,13.51) ; 6.89,13.51 6.88,13.5 6.1,13.5 ; v1(8.46,20.88) 9.49,19.85 R5.2 9.49,16.76 C8.2 9.5,16.57 9.5,15.41 v1(9.11,15.02)
  BOTTOM w1: v1(23.57,26.23) 23.54,26.26 TVS1.2 ; v1(2.92,46.54) C2.2 3.3,45.14 4.08,45.91 C1.2 4.98,47.96 TVS2.2 5.32,48.31 v1(3.36,48.31) ; v1(8.21,28.54) TVS3.2
  vias: v1(13.8,14.35) v1(14.82,13.03) v2(28.42,22.86) v2(28.42,20.32) v2(28.42,17.78) v2(28.42,15.24) v2(28.42,12.7) v2(28.42,10.16) v2(28.42,7.62) v2(28.42,5.08) v2(28.42,2.54) v2(29.69,22.86) v2(31.98,22.86) v2(33,22.86) v2(33.23,18.41) v2(33.85,16.98) v2(37.82,22.86) v2(38.39,20.45) v2(39.6,22.86) v2(41.12,22.86) v2(42.65,15.25) v2(42.65,12.7) v2(42.65,10.16) v2(42.65,7.62) v2(42.65,5.08) v2(42.65,2.54) v2(43.02,17.58)
ATTN: length 11
  TOP w0.4: J1.31 46.47,45.69 44.35,43.57 DSW3.2
AUX_EN: length 31.7
  TOP w0.3: J3.56 28.5,41.43 27.84,42.08 27.84,42.82 28.63,43.61 36.64,43.61 41.08,39.16 51.9,39.16 52.74,40 DSW2.2
AUX_RX: length 17.4
  BOTTOM w0.2: 17.26,52.5 17.26,51.76 17.26,51.76 17.26,50.7 17.26,50.7 17.26,50.31
  BOTTOM w0.25: 17.26,52.5 J1.8
  BOTTOM w0.3: 17.26,50.31 18.14,49.44 27.77,49.44 28.75,48.46 R10.1
AUX_RX_P: length 4.5
  TOP w0.3: J3.58 29,41.98 28.75,42.24 v2(28.75,42.57)
  BOTTOM w0.3: v2(28.75,42.57) R11.2
AUX_TX: length 16.4
  TOP w0.2: 19.8,52.54 19.8,51.76 19.8,51.76 19.8,50.7 19.8,50.7 19.8,50.25
  TOP w0.25: v2(19.75,52.58) 19.8,52.54 ; 19.8,50.25 20.28,49.77
  TOP w0.3: 20.28,49.77 29.23,49.77 v2(29.87,49.13)
  BOTTOM w0.3: J1.10 18.57,53.77 v2(19.75,52.58) ; R12.1 29.87,47.29 v2(29.87,49.13)
AUX_TX_P: length 4.5
  TOP w0.3: J3.60 29.5,42.05 29.87,42.41 v2(29.87,42.62)
  BOTTOM w0.3: v2(29.87,42.62) R13.2
SCL: length 87
  TOP w0.3: v2(32.32,31.04) 28.79,31.04 v2(22.63,37.19)
  TOP w0.4: J6.4 J5.4 55.96,16.45 55.96,20.86 v2(56.85,21.76)
  BOTTOM w0.3: v2(56.85,21.76) 56.85,27.16 51.52,32.5 33,32.5 32.32,31.82 v2(32.32,31.04) ; v2(22.63,37.19) 21.71,38.11 21.71,46.68 22.31,47.29 R6.1 24.44,48.47 24.14,48.77 14.05,48.77 13.45,49.37 13.45,51.23 J1.5
SDA: length 83.8
  TOP w0.3: J1.3 10.91,50.26 12.05,49.12 25.26,49.12 25.56,48.82 v2(25.56,48.78) ; v2(26.04,37.22) 26.04,36.86 31.05,31.85 v2(33.35,31.85)
  TOP w0.4: J6.3 J5.3 54.97,21.58 v2(54.85,21.7)
  BOTTOM w0.3: v2(26.04,37.22) 26.04,42.14 27.28,43.38 27.28,45.7 26.55,46.42 26.55,48.13 25.9,48.78 v2(25.56,48.78) R8.1 ; v2(33.35,31.85) 33.42,31.91 50.87,31.91 54.85,27.93 v2(54.85,21.7)
SIM_CLK: length 32.2
  TOP w0.2: J3.14 18,37.57
  TOP w0.3: 18,37.57 29.3,26.27 36.96,26.27 v2(36.99,26.3)
  BOTTOM w0.3: R3.1 v2(36.99,26.3)
SIM_IO: length 31.7
  TOP w0.2: J3.12 17.5,37.2
  TOP w0.3: 17.5,37.2 29.3,25.4 v2(35.98,25.4)
  BOTTOM w0.3: v2(35.98,25.4) 36.01,25.37 36.01,21.6 35.19,20.79 R1.1
SIM_NPRESENT: length 51.6
  TOP w0.2: J3.16 18.5,38.01
  TOP w0.3: v2(36.95,12.79) v2(36.95,15.79) ; v2(42.89,27.26) 42.84,27.21 29.3,27.21 18.5,38.01
  BOTTOM w0.3: v2(36.95,15.79) 41.49,15.79 42.05,16.35 42.05,18.25 TVS4.4 42.52,18.25 42.89,18.63 v2(42.89,27.26) ; J2.13 v2(36.95,12.79)
SIM_RST: length 26.7
  TOP w0.2: J3.10 17,36.8
  TOP w0.3: 17,36.8 29.25,24.55 v2(31.12,24.55)
  BOTTOM w0.3: R2.1 v2(31.12,24.55)
SIM_VCC: length 64.2
  TOP w0.2: J3.8 16.5,36.46
  TOP w0.3: 16.5,36.46 29.23,23.73 35.15,23.73 v2(35.19,23.76) ; v2(35.19,23.76) 35.19,6.71 33.97,5.49 v2(33.97,4.55) ; v2(35.19,23.76) 35.22,23.73 42.04,23.73 v2(42.05,23.74)
  BOTTOM w0.3: J2.1 v2(33.97,4.55) ; v2(35.19,23.76) 33.84,22.42 R4.2 C3.1 ; TVS4.3 v2(42.05,23.74)
USB_DM: length 44.1
  TOP w0.26: J3.9 16.73,47.51 16.73,45.57 15.06,43.9 13.19,43.9 11.29,41.99 11.29,14.96 7.94,11.61 7.23,11.61 v2(6.91,11.29)
  BOTTOM w0.26: v2(6.91,11.29) 6.55,11.64 4.92,11.64 J4.2
USB_DP: length 43.3
  TOP w0.26: v2(6.91,12.42) 7.25,12.07 7.75,12.07 10.83,15.15 10.83,42.18 13,44.36 14.87,44.36 16.27,45.76 16.27,47.51 J3.7
  BOTTOM w0.26: v2(6.91,12.42) 6.59,12.11 4.92,12.11 J4.3
USB_SHIELD: length 5.1
  BOTTOM w1: J4.7 4.81,15.14 5.5,15.14 6.5,16.14 C8.1 6.49,16.68 R5.1
V+: length 20.9
  TOP w1: J1.4 J1.2
  POWER w1: v1(4.74,42.24) 6.34,43.84 6.34,52.77 7.34,53.77 J1.2
  POWER w1.2: v1(4.74,40.79) v1(4.74,42.24)
  BOTTOM w1: C2.1 v1(4.74,42.24) 4.76,42.22 4.76,40.8 v1(4.74,40.79)
VACT_GPS_OUT: length 48.9
  TOP w0.2: J3.20 19.5,41.81 21.92,44.23
  TOP w0.3: 21.92,44.23 36.93,44.23 41.46,39.7 47.09,39.7 50.2,42.8 60.45,42.8 61.13,42.13 DSW1.2
VIO: length 23.8
  POWER w1: v1(9.06,38.83) 9.06,37.99 12.23,34.82 12.23,28.53 v1(15.16,25.6)
  BOTTOM w0.7: DS3.3 10.21,42.15 F1.1 v1(9.06,38.83)
  BOTTOM w1: DS4.3 v1(15.16,25.6)
VIO#: length 11.1
  BOTTOM w1: DS3.2 DS3.1 6.38,44.91 7.38,45.91 C1.1 7.88,48.3 TVS2.1 7.88,50.74 J1.1
VIO_P: length 74.8
  TOP w0.3: v1(13.73,39.97) 13.74,39.99 14.03,39.99
  TOP w0.4: J5.2 J6.2 ; v2(54.59,33.1) 54.58,33.11 54.58,33.11 54.19,33.5 DSW2.1
  TOP w0.5: J5.2 53.97,20.56 v2(52.85,21.68)
  POWER w0.4: v2(54.59,33.1) 54.59,23.52 52.85,21.78 v2(52.85,21.68)
  POWER w0.6: v1(13.73,39.97) 47.73,39.97 v2(54.59,33.1)
  BOTTOM w0.7: F1.2 12.59,38.83 v1(13.73,39.97)
VMODEM_P: length 1.3
  TOP w0.3: 31.99,38.72 32,38.73 J3.70
  vias: v1(32.51,38.1) v1(32.49,36.86)
VUSB: length 24.8
  TOP w0.2: J3.13 17.75,45.76 17.89,45.61 v2(17.89,44.52)
  BOTTOM w0.3: v2(17.89,44.52) 14.73,41.36 14.73,32.65 12.65,30.57 DS1.2
  BOTTOM w0.4: 6.1,10.9 J4.1
  BOTTOM w0.5: R23.1 15.24,17.91 15.33,17.82 U3.3
  BOTTOM w0.6: C16.1 13.14,18.66 R23.1
N16884949: length 4.6
  TOP w0.3: J3.42 25,42.49 v2(25.56,43.05)
  BOTTOM w0.3: R9.2 v2(25.56,43.05)
N16884961: length 4.4
  TOP w0.3: v2(24.44,43.11) 24.5,43.05 J3.40
  BOTTOM w0.3: R7.2 v2(24.44,43.11)
N16931657: length 1.1
  BOTTOM w0.3: R12.2 R13.1
N16931659: length 1.1
  BOTTOM w0.3: R10.2 R11.1
N16931665: length 1.1
  BOTTOM w0.3: R8.2 R9.1
N16931667: length 1.1
  BOTTOM w0.3: R6.2 R7.1
N17053809: length 22.3
  TOP w0.3: v2(38.95,7.7) 38.95,16.12 37.67,17.39 v2(36.88,17.39)
  BOTTOM w0.3: TVS4.6 41.05,17.58 40.86,17.39 v2(36.88,17.39) 36.45,16.96 36.03,16.96 C6.1 36,18.21 35.6,18.61 R1.2 34.09,18.61 33.84,18.86 R4.1 ; J2.7 v2(38.95,7.7)
N17053813: length 26.9
  TOP w0.3: v2(35.98,16.06) 35.98,5.86 36.41,5.44 v2(36.41,4.57)
  BOTTOM w0.3: TVS4.5 41.55,18.25 41.55,16.95 41.08,16.47 36.73,16.47 36.31,16.06 v2(35.98,16.06) 32.99,16.06 32.5,16.55 32.5,16.99 C4.1 31.45,17 31.12,17.33 R2.2 ; J2.2 v2(36.41,4.57)
N17053836: length 20.6
  TOP w0.3: v2(38.84,4.54) 38.84,5.31 39.81,6.27 v2(39.81,18.43)
  BOTTOM w0.3: TVS4.1 40.25,19.86 39.81,19.43 v2(39.81,18.43) 38.41,18.43 C5.1 37.15,18.44 R3.2 ; J2.3 v2(38.84,4.54)
N17074702: length 47
  TOP w0.2: 20,40.28 J3.22
  TOP w0.3: DSW1.1 61.13,32.71 59.71,31.29 40.93,31.29 38.79,33.42 31.3,33.42 26.64,38.09 20.91,38.09 20,39 J3.22
N17100401: length 24
  TOP w0.3: DSW3.1 44.35,34.25 v2(39.59,39.01) ; v2(27.02,41.88) 28,40.9 J3.54
  BOTTOM w0.3: v2(39.59,39.01) 38.03,40.57 27.61,40.57 27.02,41.15 v2(27.02,41.88)
N17130280: length 15
  TOP w1: v1(19.52,10.86) 19.82,10.86 21.48,12.53 v1(21.48,15.23)
  BOTTOM w0.4: R22.2 22.4,16.84
  BOTTOM w1: v1(19.52,10.86) 19.08,10.42 L4.2 ; v1(21.48,15.23) 22.4,16.15 22.4,17.74 22.23,17.91 22.23,19.69 R20.1 R19.1
N17130301: length 4.2
  BOTTOM w0.4: 16.01,16.43 U3.2 16.01,16.22
  BOTTOM w0.5: C13.1 17.7,13.2 17.35,12.86
N17130339: length 2.1
  BOTTOM w0.5: 18.03,15.27 18.37,14.93 18.75,14.93 18.87,14.8 C13.2
N17130371: length 2.7
  BOTTOM w0.2: U3.4 18.37,16.83 18.87,16.83 18.87,16.83 R26.2 19.42,16.84 R22.1
N17130375: length 4.5
  BOTTOM w0.2: R23.2 17.33,18.66 ; 17.33,18.66 R25.2 ; 17.33,18.66 17.12,18.44 17.12,16.4 17.3,16.22 U3.5
N17136740: length 8
  TOP w0.2: TP7.1 35.54,49.4 31.39,49.4 30.75,48.76 J3.65
N17136743: length 18.8
  TOP w0.2: TP6.1 39.86,35.7 39.42,35.27 30.87,35.27 27.46,38.67 24.24,38.67 24,38.91 J3.38

## Copper pours and planes (outline as drawn; the poured copper is in the pictures)
GND on BOTTOM: 10.72,11.22 15.27,11.22 15.27,12.23 15.74,12.7 15.74,15.21 14.74,15.21 14.01,15.93 14.01,16.36 12.21,16.36 12.21,13.43 10.72,11.94
GND on BOTTOM: 19.58,23.21 43.36,23.21 43.36,1 19.58,1 19.58,19.15 19.97,19.15 19.97,20.26 19.58,20.26 ; 8 cut-outs
GND on GND: 1,53.5 1.59,54.91 3,55.5 58.52,55.5 58.52,49.48 64,49.48 64,6.5 58.45,6.5 58.45,1 24,1 24,6.58 1,6.58 1,18.5 4,18.5 5.41,19.09 6,20.5 6,35.5 5.41,36.91 4,37.5 1,37.5 ; 1 cut-out
GND on POWER: 3.1,16.9 3.1,6.58 12.69,6.58 12.69,16.9
USB_SHIELD on BOTTOM: 5.5,10.05 3.1,10.05 3.1,10.05 3.1,13.65 3.65,14.2 5.5,14.2 5.5,16.3 3.7,16.3 3.1,16.9 1.2,16.9 1.2,7.5 5.5,7.5
V+ on BOTTOM: 2.02,42.81 5.02,42.81 5.28,42.55 5.28,40.39 9.5,36.17 10.59,36.17 10.85,36.42 13.16,36.42 13.16,33.62 9.86,33.62 9.61,33.87 6.81,33.87 6.81,36.06 2.02,40.85
VIO_P on TOP: 15.65,39.2 15.65,40.75 13.4,40.75 13.24,40.59 13.24,39.38 13.41,39.2
VMODEM on BOTTOM: 14.19,37.05 29.68,37.05 31.16,35.57 31.16,29.29 30.99,29.11 14.19,29.11
VMODEM_P on TOP: 33.15,40.75 33.15,36.37 32.92,36.14 32.08,36.14 31.85,36.37 31.85,40.75
VMODEM_P on BOTTOM: 32.16,34.57 32.86,34.57 32.86,35.57 33.15,35.86 33.15,38.63 32.99,38.8 32.02,38.8 31.85,38.63 31.85,35.89 32.16,35.57
VUSB on BOTTOM: 10.86,31.97 13.16,31.97 13.16,27.78 11.79,26.41 11.79,24.81 11.79,19.68 12.21,19.26 14.01,19.26 14.01,18.11 12.21,18.11 11.79,17.69 11.79,13.55 8.35,10.11 6.09,10.11 5.5,10.7 4.15,10.7 4.15,11.1 7.62,11.1 9.49,12.97 9.49,25.01 9.49,25.01 9.49,27.06 10.86,28.43
N17130280 on BOTTOM: 18.4,9.8 16.39,9.8 16.16,9.57 11.59,9.57 11.57,9.59 11.57,9.63 10.77,9.63 10.77,10.63 10.9,10.77 18.4,10.77
N17130301 on BOTTOM: 14.83,15.97 15.95,15.97 16.44,15.48 16.44,12.37 18.44,12.37 18.44,13.62 17.4,13.62 17.11,13.91 17.11,15.72 16.32,16.52 14.83,16.52

## Text on the board
BOTTOM: 20173047_V6
Ref Des/Silkscreen Top: 2.1 | OFF | ON | GND | 3V3 | SDA | SCL | ATTN | TXRX | SERIAL | ACTIVE | GPS | NOTECARRIER-PI
XSECTION_CHART: 1 | *  SURFACE - AIR 0 MM | * SOLDERMASK_TOP MASK - SOLDERMASK 0.02 MM | L1 TOP CONDUCTOR - COPPER 0.035 MM | *  DIELECTRIC - FR-4 0.2 MM | L2 GND PLANE - COPPER 0.035 MM | *  DIELECTRIC - FR-4 1 MM | L3 POWER PLANE - COPPER 0.035 MM | L4 BOTTOM CONDUCTOR - COPPER 0.035 MM | * SOLDERMASK_BOTTOM MASK - SOLDERMASK 0.02 MM | DESIGN CROSS SECTION CHART | ___________________________ | TOTAL THICKNESS 1.58 MM | 1-4
PAGE_OUTLINE: Copyright (c) 2020 Blues Inc | Blues Inc
User.11: FIGURE | FINISHED SIZE | 0.254 | 0.5 | 1.02 | 3.7 | 1.1 | 1.6 | 2.7 | ALL UNITS ARE IN MILLIMETERS | TOLERANCE | +0.075/-0.075 | +0.08/-0.08 | +0.1/-0.1 | TYPE | PLATED | NON-PLATED | QTY | 82 | 20 | 39 | 1 | 4 | DRILL CHART: TOP to BOTTOM
User.12: PUT PCB DATA/LOGO/CODE | ON BOTTOM LAYER | IN THIS AREA
User.21: TP21 | TP16 | TP23 | TP13 | TP11 | TP22 | TP24 | TP18 | TP15 | TP14 | TP17 | TP25 | TP8 | TP26 | TP10 | TP39 | TP20 | TP38 | TP9 | TP12 | TP19 | TP28 | TP1 | TP29 | TP2 | TP3 | TP30 | TP31 | TP7 | TP4 | TP32 | TP5 | TP33 | TP6 | TP34 | TP35
User.34: NOTES: | 2) Scale 1:1 | 1) All Dimensions are in millimeters
